# Altium PCB PASTE.PcbDoc (part 3 of 7)
Units mil, origin at the board's own origin, x right, y up, seen from the top; angles counter-clockwise.
Board outline 16220 x 11870 mil, 2 copper layers (Top Layer, Bottom Layer); 340 components, 0 nets, 1500 pads, 1280 vias.
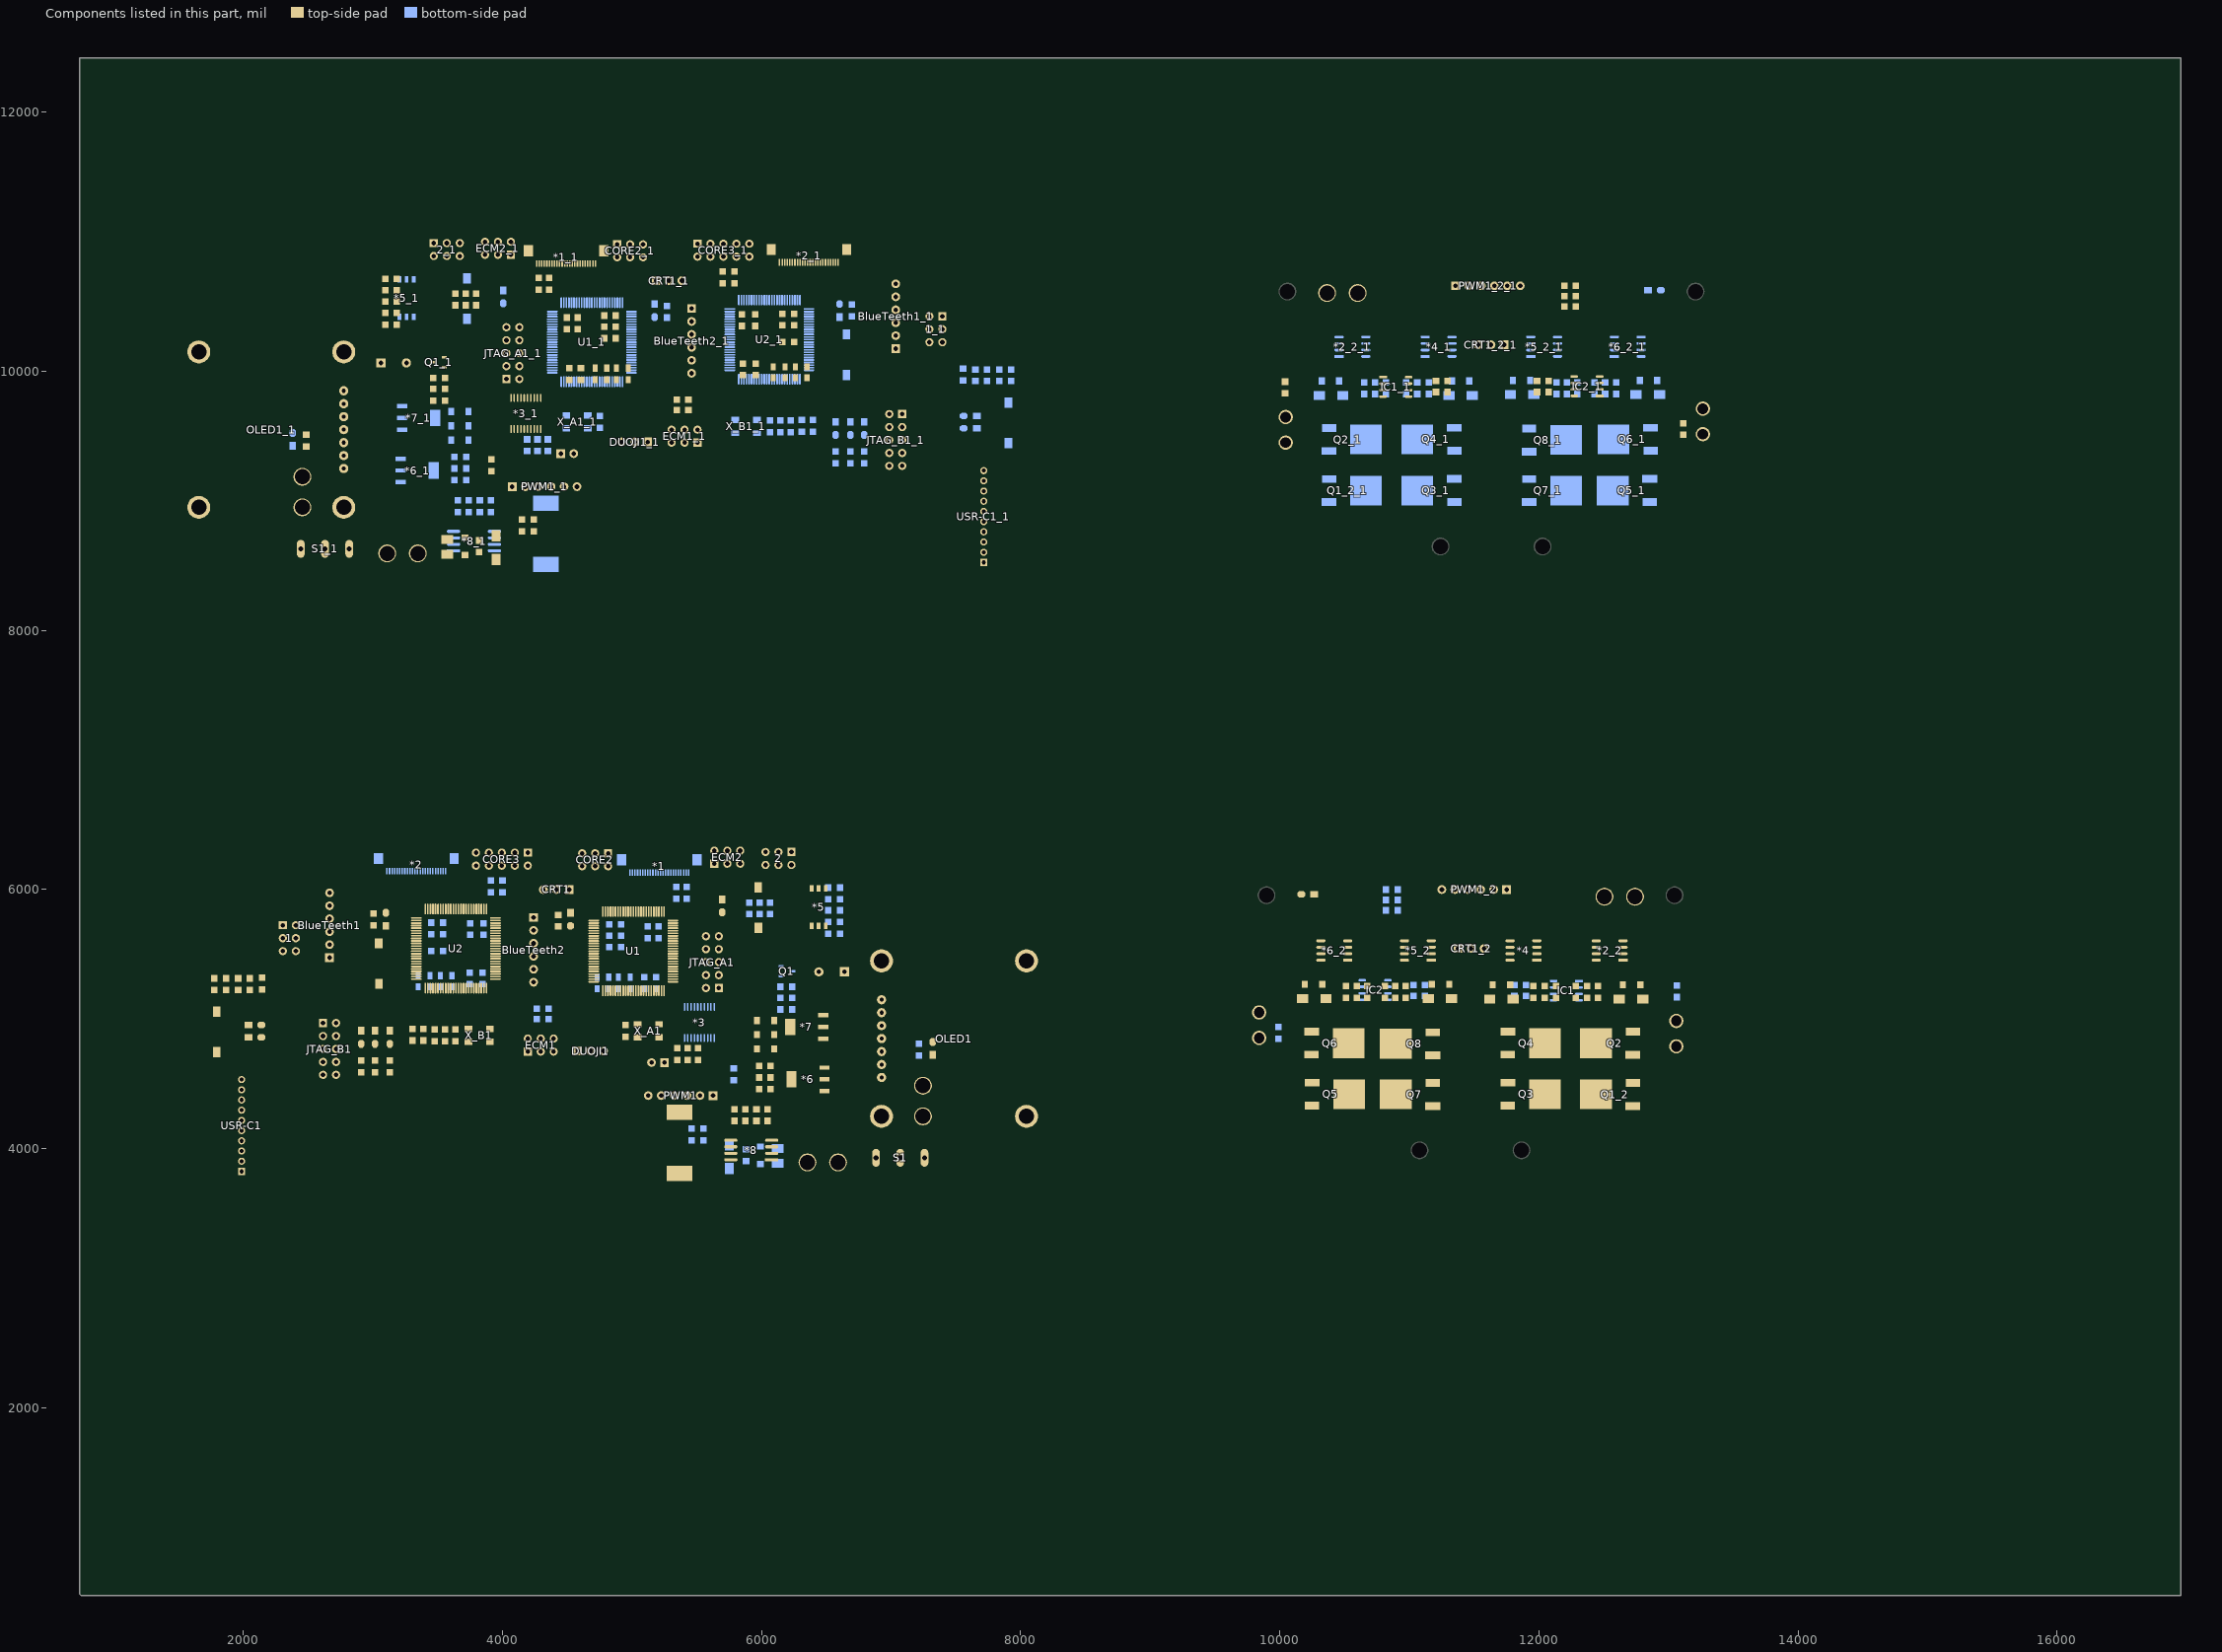
[diagram p3: the components of this part, seen from the top]

## Via types
v1: diameter 20, hole 15, Top Layer to Bottom Layer, tented both sides, 836 vias
v2: diameter 20, hole 10, Top Layer to Bottom Layer, tented both sides, 412 vias
v3: diameter 30, hole 20, Top Layer to Bottom Layer, tented both sides, 22 vias
v4: diameter 177.17, hole 157.48, Top Layer to Bottom Layer, tented both sides, 6 vias
v5: diameter 40, hole 30, Top Layer to Bottom Layer, tented both sides, 4 vias

## Nets (pads, with @x,y where several pads share a name; then routed paths per layer and width w, separated by ;. In a path a pad name is that pad's centre, name@x,y a point inside that pad or via, vN(x,y) a via of type N, cw(c..) or ccw(c..) an arc to the next point about the centre after c; other vN are vias at no path point) (continued)
copper on no net: (continued)
  Top Layer w10: 4624.91,10023.09 ccw(c4659.74,10019.75) 4635,9995 ; v2@4626.46,10598.54 ccw(c4617.93,10607.07) 4630,10607.07 ccw(c4642.07,10607.07) v2@4633.54,10598.54 ; 4626.82,6256.29 ccw(c4636.35,6237.18) 4615,6237.18 ; 4628.28,10345 ccw(c4628.28,10276.72) 4580,10325 ; v2@4630.08,5279.09 cw(c4647.7,5282.36) 4635.03,5295.03 ; v2(4630.89,5660.89) 4631.06,5661.06 4703.28,5661.06 4705.01,5662.8 ; v2@4631.46,5283.54 ccw(c4622.93,5292.07) 4635,5292.07 ccw(c4647.07,5292.07) v2@4638.54,5283.54 ; v2@4631.46,9983.54 ccw(c4622.93,9992.07) 4635,9992.07 ccw(c4647.07,9992.07) v2@4638.54,9983.54 ; v2@4634.43,5657.35 cw(c4643.38,5648.4) 4643.38,5661.06 ; v2@4634.43,5664.43 ccw(c4642.54,5672.54) 4642.54,5661.06 ; v2(4635,5280) 4635,5295 4648.46,5308.46 ; v2@4636.46,10886.46 cw(c4627.93,10877.93) 4640,10877.93 cw(c4652.07,10877.93) v2@4643.54,10886.46 ; 4637,10852.02 ccw(c4629.75,10859.27) 4640,10859.27 ; 4637.64,10831.69 4640,10834.06 v2(4640,10890) ; v2@4639.92,5280.91 cw(c4670.36,5286.57) 4648.46,5308.46 ; 4642.97,5823.25 cw(c4580.94,5761.22) 4668.67,5761.22 ; v2@4646.46,10618.54 ccw(c4637.93,10627.07) 4650,10627.07 ccw(c4662.07,10627.07) v2@4653.54,10618.54 ; v2(4650,5330) 4651.85,5328.15 4705.01,5328.15 ; v2(4650,5680) 4652.48,5682.48 4705.01,5682.48 ; v2@4651.46,9998.54 ccw(c4642.93,10007.07) 4655,10007.07 ccw(c4667.07,10007.07) 4658.54,9998.54 ccw(c4667.07,10007.07) 4667.07,9995 ccw(c4667.07,9982.93) v2@4658.54,9991.46 ; v2@4653.54,5333.54 ccw(c4666.54,5346.54) 4666.54,5328.15 ; v2@4653.54,5676.46 cw(c4668.06,5661.94) 4668.06,5682.48 ; 4657.32,10831.69 4657.32,10747.68 4690,10715 v2(4690,10615) ; 4660.05,5806.18 cw(c4615.08,5761.22) 4678.67,5761.22 ; 4661.81,5661.06 ccw(c4661.81,5671.54) 4669.22,5664.13 ; v2@4666.46,10598.54 ccw(c4657.93,10607.07) 4670,10607.07 ccw(c4682.07,10607.07) v2@4673.54,10598.54 ; v2(4675,9860) 4675,9850 4700,9825 4795,9825 5015,9605 5350,9605 5405,9550 ; 4676.59,9973.41 ccw(c4715,10011.82) 4715,9957.5 ; 4677.01,10831.69 4677.01,10752.99 4710,10720 v2(4710,10595) ; 4677.12,5789.11 cw(c4649.22,5761.22) 4688.67,5761.22 ; v2@4680,9860 ccw(c4716.21,9860) 4690.61,9834.39 ; v2@4686.46,10618.54 ccw(c4677.93,10627.07) 4690,10627.07 ccw(c4702.07,10627.07) v2@4693.54,10618.54 ; 4693.66,9956.34 ccw(c4715,9977.68) 4715,9947.5 ; 4694.19,5772.04 cw(c4683.37,5761.22) 4698.67,5761.22 ; 4694.7,9955.3 cw(c4681.89,9942.5) 4700,9942.5 ; v2(4695,10090) 4655,10050 v2(4655,9995) 4685,9995 4715,10025 ; 4696.26,6161.26 cw(c4651.03,6116.03) 4715,6116.03 cw(c4778.97,6116.03) 4733.74,6161.26 ; 4703.18,6256.29 cw(c4693.65,6237.18) 4715,6237.18 ; 4703.34,6168.34 cw(c4675.18,6140.18) 4715,6140.18 cw(c4754.82,6140.18) 4726.66,6168.34 ; 4705.01,5288.78 4713.79,5280 v2(4770,5280) ; 4705.01,5347.83 4708.87,5351.69 4746.01,5351.69 ; 4705.01,5761.22 4515,5951.23 ; 4711.97,5892.25 ccw(c4774,5954.28) 4774,5866.55 ; 4715,6180 4715,5965.75 4809.51,5871.24 ; 4715,6280 4715,6237.18 ; 4715,9935 4673.94,9976.06 4638.94,9976.06 v2(4635,9980) 4635,9995 ; 4726.82,6256.29 ccw(c4736.35,6237.18) 4715,6237.18 ; 4729.04,5875.18 ccw(c4774,5920.14) 4774,5856.55 ; v2(4735,10430) 4785,10430 4785,10345 ; 4737.15,5308.46 ccw(c4737.15,5342.85) v2@4761.46,5318.54 ; v2@4737.5,10425.67 cw(c4744.29,10413.9) 4747.81,10427.03 ; v2@4737.5,10434.33 ccw(c4744.29,10446.1) 4747.81,10432.97 ; v2@4738.54,10426.46 cw(c4747.07,10417.93) 4747.07,10430 cw(c4747.07,10442.07) v2@4738.54,10433.54 ; v2@4739.33,10427.5 cw(c4748.47,10422.22) 4745.74,10432.42 ; v2@4739.33,10432.5 ccw(c4748.47,10437.78) 4745.74,10427.58 ; 4739.46,5349.72 ccw(c4739.46,5360.8) 4747.29,5352.97 ; 4739.77,5349.7 ccw(c4740.96,5356.75) 4746.01,5351.69 ; 4740.79,5602.4 cw(c4747.06,5596.14) 4747.06,5605 ; 4746.11,5858.1 ccw(c4774,5886) 4774,5846.55 ; 4754.13,5623.43 ccw(c4754.13,5640.87) v2@4766.46,5628.54 ; 4755.07,5282.69 ccw(c4759.31,5298.51) 4767.5,5284.33 cw(c4759.35,5298.45) 4755.13,5282.7 ; 4763.18,5841.03 ccw(c4774,5851.85) 4774,5836.55 ; v2(4765,5315) 4758.46,5308.46 4705.01,5308.46 4648.46,5308.46 ; v2@4765.13,5280 cw(c4765.13,5314.32) 4740.8,5290.11 ccw(c4765.21,5314.54) v2@4765.21,5280 ; v2@4766.46,5276.46 ccw(c4757.93,5267.93) 4757.93,5280 ccw(c4757.93,5292.07) v2@4766.46,5283.54 ; 4770.86,10330.86 ccw(c4736.72,10296.72) 4736.72,10345 ccw(c4736.72,10393.28) 4770.86,10359.14 ccw(c4736.72,10393.28) 4785,10393.28 ccw(c4833.28,10393.28) 4799.14,10359.14 ; 4770.86,10444.14 cw(c4736.72,10478.28) 4736.72,10430 cw(c4736.72,10381.72) 4770.86,10415.86 cw(c4736.72,10381.72) 4785,10381.72 cw(c4833.28,10381.72) 4799.14,10415.86 ; v2@4771.46,5158.54 ccw(c4762.93,5167.07) 4775,5167.07 ccw(c4787.07,5167.07) v2@4778.54,5158.54 ; 4772.66,5184 cw(c4767.02,5178.36) 4775,5178.36 ; 4774,5219.79 4775,5218.79 v2(4775,5155) ; 4780,4755 4890,4865 4950,4865 5020,4795 5145,4795 5208,4858 5208,4860 5315,4860 v2(5345,4830) 5350,4825 5350,4775 5430,4775 5510,4775 ; 4780,4773.46 ccw(c4780,4818.04) 4811.52,4786.52 ccw(c4843.04,4755) 4798.46,4755 ; 4780,4783.46 ccw(c4780,4852.18) 4828.59,4803.59 ccw(c4877.18,4755) 4808.46,4755 ; 4785,10235 cw(c4785,10186.72) 4819.14,10220.86 cw(c4853.28,10255) 4805,10255 ; 4785,10255 4935,10105 v2(4935,10015) ; 4785,10325 cw(c4785,10276.72) 4819.14,10310.86 cw(c4853.28,10345) 4805,10345 ; v2@4786.46,5601.46 ccw(c4777.93,5592.93) 4777.93,5605 ccw(c4777.93,5617.07) v2@4786.46,5608.54 ; 4788.55,5872.49 cw(c4780.72,5864.66) 4791.8,5864.66 ; v2(4790,5605) 4706.27,5605 4705.01,5603.74 4631.26,5603.74 4558.94,5676.06 4558.94,5741.2 4541.2,5758.94 4512.66,5758.94 4496.3,5775.3 4496.3,5781.06 4472.36,5805 ; 4791.82,5864.98 ccw(c4784.77,5866.16) 4789.83,5871.22 ; 4793.69,5830.21 4789.83,5834.07 4789.83,5871.22 ; 4796.26,6161.26 cw(c4751.03,6116.03) 4815,6116.03 cw(c4878.97,6116.03) 4833.74,6161.26 ; 4803.18,6256.29 cw(c4793.65,6237.18) 4815,6237.18 ; 4803.34,6168.34 cw(c4775.18,6140.18) 4815,6140.18 cw(c4854.82,6140.18) 4826.66,6168.34 ; 4805,9935 4880,9935 4885,9935 v2(4930,9980) ; 4805,10025 4880,10025 4880,10080 v2(4885,10085) ; 4808.22,5872.53 cw(c4800.35,5864.66) 4811.48,5864.66 ; v2@4811.46,5381.46 ccw(c4802.93,5372.93) 4802.93,5385 ccw(c4802.93,5397.07) v2@4811.46,5388.54 ; 4811.51,5864.98 ccw(c4804.45,5866.18) 4809.51,5871.24 ; 4813.29,10463.94 ccw(c4813.29,10496.71) v2@4836.46,10473.54 ; 4813.37,5830.21 4809.51,5834.07 4809.51,5871.24 ; v2(4815,5385) 4779.32,5385 4746.01,5351.69 ; 4815,6180 4815,5905.17 4848.88,5871.29 ; 4815,6280 4815,6237.18 ; 4815.61,9924.39 cw(c4841.21,9898.79) 4841.21,9935 cw(c4841.21,9971.21) 4815.61,9945.61 ; 4815.61,10014.39 cw(c4841.21,9988.79) 4841.21,10025 cw(c4841.21,10061.21) 4815.61,10035.61 ; 4826.82,6256.29 ccw(c4836.35,6237.18) 4815,6237.18 ; 4827.89,5872.58 cw(c4819.97,5864.66) 4831.17,5864.66 ; 4831.19,5864.98 ccw(c4824.13,5866.2) 4829.2,5871.27 ; 4833.06,5830.21 4829.2,5834.07 4829.2,5871.27 ; 4847.55,5872.62 cw(c4839.6,5864.66) 4850.85,5864.66 ; 4850.88,5864.99 ccw(c4843.81,5866.22) 4848.88,5871.29 ; 4852.74,5219.79 4856.6,5223.65 4856.6,5260.79 ; 4852.74,5830.21 4848.88,5834.07 4848.88,5871.29 ; 4854.6,5254.55 cw(c4861.65,5255.74) 4856.6,5260.79 ; 4854.63,5254.24 cw(c4865.7,5254.24) 4857.87,5262.07 ; v2(4860,5770) 4967.47,5770 4986.68,5789.21 ; 4868.57,5878.54 ccw(c4886.3,5878.54) 4873.76,5866 ; 4869.39,9924.39 ccw(c4843.79,9898.79) 4843.79,9935 ccw(c4843.79,9971.21) 4869.39,9945.61 ; 4869.39,10014.39 ccw(c4843.79,9988.79) 4843.79,10025 ccw(c4843.79,10061.21) 4869.39,10035.61 ; 4869.39,10043.11 ccw(c4843.79,10068.71) 4880,10068.71 ccw(c4916.21,10068.71) 4890.61,10043.11 ; 4872.43,5830.21 4868.57,5834.07 4868.57,6183.61 4815,6237.18 ; 4875,10235 cw(c4875,10186.72) 4909.14,10220.86 cw(c4943.28,10255) 4895,10255 ; 4875,10255 4915,10215 4940,10215 4970,10185 4970,10025 5045,10025 v2(5050,10030) ; 4880,9947.5 ccw(c4880,9989.75) 4909.87,9959.87 ; 4880,9957.5 ccw(c4880,10023.89) v2@4926.95,9976.95 ; 4880,10060.86 cw(c4909.14,10060.86) v2@4888.54,10081.46 ; 4888.25,5171.46 cw(c4905.99,5171.46) 4893.45,5184 ; 4892.11,5219.79 4888.25,5215.93 4888.25,5138.25 4835,5085 4690,5085 4565,5210 4205,5210 4180,5235 4180,5385 4240,5445 ; 4892.11,5830.21 4892.11,6022.11 v2(5060,6190) ; 4892.23,10334.85 cw(c4910,10324.38) 4910,10345 ; 4892.23,10355.15 ccw(c4910,10365.62) 4910,10345 ; v2@4906.46,10301.46 ccw(c4897.93,10292.93) 4897.93,10305 ccw(c4897.93,10317.07) v2@4906.46,10308.54 ; v2(4910,10305) 4825,10305 4785,10345 ; 4911.8,5830.21 4911.8,5921.8 v2(5075,6085) ; 4917.77,9971.65 ccw(c4909.82,9985.41) v2@4925.17,9981.29 ; v2(4925,9855) 5090,9855 5115,9880 5395,9880 5435,9840 5435,9780 ; v2@4925,9980 cw(c4912.93,9980) 4921.46,9971.46 cw(c4930,9962.93) v2@4930,9975 ; v2@4928.54,9851.46 cw(c4937.07,9842.93) 4937.07,9855 cw(c4937.07,9867.07) v2@4928.54,9858.54 ; v2(4930,10325) 4910,10345 ; v2@4931.46,10018.54 ccw(c4922.93,10027.07) 4935,10027.07 ccw(c4947.07,10027.07) v2@4938.54,10018.54 ; 4931.48,5219.79 4931.48,5281.48 4980,5330 5206.78,5330 5248.94,5287.84 5248.94,5286.06 5262.05,5272.95 5502.95,5272.95 5570,5340 ; 4935.86,4850.86 ccw(c4901.72,4816.72) 4901.72,4865 ccw(c4901.72,4913.28) 4935.86,4879.14 ; 4949.83,5184 cw(c4937.29,5171.46) 4955.02,5171.46 ; 4950,4845 cw(c4950,4796.72) 4984.14,4830.86 cw(c5018.28,4865) 4970,4865 ; 4951.17,5219.79 4955.02,5215.93 4955.02,5139.98 5025,5070 v2(5115,5070) ; 4951.17,5830.21 4951.17,5926.17 5005,5980 v2(5255,5980) ; 4959.39,10043.11 ccw(c4933.79,10068.71) 4970,10068.71 ccw(c5006.21,10068.71) 4980.61,10043.11 ; 4960,4960 5042,4960 v2@5080,4960 ; v2(4965,5730) 5010.22,5775.22 5010.22,5830.21 5010.22,5914.78 v2(5010,5915) ; v2@4965,5735 ccw(c4965,5747.07) 4973.54,5738.54 ccw(c4982.07,5730) v2@4970,5730 ; 4970,9935 5020,9935 v2(5065,9980) ; 4970.85,5219.79 4970.85,5154.15 4975,5150 4975,5149.71 5029.71,5095 5090,5095 v2(5095,5090) ; 4970.85,5830.21 4970.85,5920.85 5010,5960 v2(5275,5960) ; 4980.61,9924.39 cw(c5006.21,9898.79) 5006.21,9935 cw(c5006.21,9971.21) 4980.61,9945.61 ; 4980.61,10014.39 cw(c5006.21,9988.79) 5006.21,10025 cw(c5006.21,10061.21) 4980.61,10035.61 ; 4985.4,5787.93 ccw(c4977.57,5795.76) 4988.65,5795.76 ; v2@4986.46,5891.46 cw(c4976.64,5881.64) 4990.54,5881.64 ; 4986.68,5788.16 cw(c4992.69,5788.16) 4991.05,5793.95 ; 4988.67,5795.45 cw(c4981.62,5794.26) 4986.68,5789.21 ; v2(4990,5895) 4990.54,5894.46 4990.54,5830.21 4986.68,5826.35 4986.68,5789.21 ; 4990.54,5219.79 4990.54,5164.46 5045,5110 v2(5115,5110) ; 4990.54,5884.22 cw(c5000.78,5884.22) v2@4993.54,5891.46 ; v2@5000,5390 cw(c4987.93,5390) 4996.46,5381.46 cw(c5005,5372.93) v2@5005,5385 ; v2@5006.46,5911.46 cw(c4997.4,5902.4) 5010.22,5902.4 ; v2@5008.54,5386.46 cw(c5017.07,5377.93) 5017.07,5390 cw(c5017.07,5402.07) v2@5008.54,5393.54 ; 5010.22,5903.46 cw(c5021.54,5903.46) v2@5013.54,5911.46 ; v2@5021.46,5163.54 ccw(c5010.4,5174.6) 5026.05,5174.6 ; v2(5025,5160) 5026.05,5161.05 5026.05,5215.93 5029.91,5219.79 ; 5025.86,10025 ccw(c5025.86,10054.14) v2@5046.46,10033.54 ; 5026.05,5171.46 cw(c5043.78,5171.46) 5031.24,5184 ; v2@5026.46,5891.46 cw(c5018.16,5883.16) 5029.91,5883.16 ; 5029.91,5830.21 5029.91,5894.91 v2(5030,5895) ; 5029.91,5882.7 cw(c5042.3,5882.7) v2@5033.54,5891.46 ; v2@5041.46,5291.46 cw(c5030.36,5280.36) 5046.06,5280.36 ; v2(5045,5295) 5046.06,5293.94 5046.06,5223.31 5049.59,5219.79 5049.59,5160.41 v2(5050,5160) ; v2@5046.46,5163.54 ccw(c5038.92,5171.08) 5049.59,5171.08 ; v2@5046.46,5911.46 cw(c5038.92,5903.92) 5049.59,5903.92 ; 5049.59,5173.06 ccw(c5063.06,5173.06) v2@5053.54,5163.54 ; 5049.59,5830.21 5049.59,5914.59 v2(5050,5915) ; 5049.59,5901.94 cw(c5063.06,5901.94) v2@5053.54,5911.46 ; v2(5050,10380) 5080,10380 5317.4,10142.6 5477.56,10142.6 5499.96,10165 v2(5685,10165) ; v2@5053.54,10376.46 cw(c5062.07,10367.93) 5062.07,10380 cw(c5062.07,10392.07) v2@5053.54,10383.54 ; v2@5055,6190 cw(c5042.93,6190) 5051.46,6181.46 cw(c5060,6172.93) v2@5060,6185 ; v2@5060,9980 cw(c5047.93,9980) 5056.46,9971.46 cw(c5065,9962.93) v2@5065,9975 ; 5060.86,4960 ccw(c5060.86,4989.14) v2@5081.46,4968.54 ; v2@5061.46,5276.46 cw(c5051.92,5266.92) 5065.42,5266.92 ; 5064.07,4950.76 cw(c5080,4941.66) v2@5080,4960 ; 5064.07,4969.24 ccw(c5080,4978.34) v2@5080,4960 ; v2(5065,5280) 5065.42,5279.58 5065.42,5223.65 5069.28,5219.79 ; 5065.42,5268.11 ccw(c5083.15,5268.11) 5070.61,5255.57 ; 5065.42,5268.94 cw(c5076.06,5268.94) v2@5068.54,5276.46 ; 5066.01,4956.25 ccw(c5059.76,4979.57) v2@5080.67,4967.5 ; v2@5066.46,5891.46 cw(c5059.68,5884.68) 5069.28,5884.68 ; v2@5069.11,10355.89 cw(c5069.11,10343.82) 5077.65,10352.35 cw(c5086.18,10360.89) v2@5074.11,10360.89 ; v2(5069.11,10360.89) 5301.34,10128.66 5483.5,10128.66 5499.84,10145 v2(5670,10145) ; 5069.28,5830.21 5069.28,5894.28 v2(5070,5895) ; 5069.28,5881.18 cw(c5083.82,5881.18) v2@5073.54,5891.46 ; v2@5070,6085 cw(c5057.93,6085) 5066.46,6076.46 cw(c5075,6067.93) v2@5075,6080 ; 5070.86,5095 cw(c5070.86,5065.86) v2@5091.46,5086.46 ; v2(5085,4965) v2@5080,4960 ; v2@5086.46,5163.54 ccw(c5077.93,5172.07) 5090,5172.07 ccw(c5102.07,5172.07) v2@5093.54,5163.54 ; 5087.62,5184 cw(c5081.89,5178.27) 5090,5178.27 ; 5088.96,5219.79 5090,5218.75 v2(5090,5160) ; 5088.96,5830.21 5088.96,5913.96 v2(5090,5915) ; 5088.96,5900.42 cw(c5104.58,5900.42) v2@5093.54,5911.46 ; 5091.54,9455 ccw(c5022.82,9455) 5071.41,9503.59 ccw(c5120,9552.18) 5120,9483.46 ; 5101.54,9455 ccw(c5056.96,9455) 5088.48,9486.52 ccw(c5120,9518.04) 5120,9473.46 ; 5108.65,5830.21 5108.65,5893.65 v2(5110,5895) ; 5108.65,5879.66 cw(c5125.34,5879.66) v2@5113.54,5891.46 ; v2@5111.46,5066.46 ccw(c5102.93,5057.93) 5102.93,5070 ccw(c5102.93,5082.07) v2@5111.46,5073.54 ; v2@5111.46,5106.46 ccw(c5102.93,5097.93) 5102.93,5110 ccw(c5102.93,5122.07) v2@5111.46,5113.54 ; 5128.33,5830.21 5128.94,5830.82 5128.94,5913.94 v2(5130,5915) ; 5128.94,5900.36 cw(c5144.64,5900.36) v2@5133.54,5911.46 ; v2(5140,5675) 5206.54,5741.54 5315.43,5741.54 5316.97,5740 v2(5400,5740) ; v2@5140,5680 ccw(c5140,5692.07) 5148.54,5683.54 ccw(c5157.07,5675) v2@5145,5675 ; 5147.49,5183.52 cw(c5145.8,5177.69) 5151.87,5177.69 ; 5148.02,5219.79 5151.87,5215.93 5151.87,5178.73 ; 5148.02,5830.21 5148.02,5893.02 v2(5150,5895) ; 5148.02,5878.14 cw(c5166.86,5878.14) v2@5153.54,5891.46 ; 5149.88,5185.02 ccw(c5156.94,5183.8) 5151.87,5178.73 ; 5149.91,5185.34 ccw(c5161.1,5185.34) 5153.18,5177.42 ; 5150.27,5193.13 cw(c5149.65,5191) 5151.87,5191 ; 5164.71,4814.71 ccw(c5119.43,4860) 5183.47,4860 ; 5166.36,5866 ccw(c5157.59,5874.77) 5170,5874.77 ; v2@5166.46,5911.46 cw(c5157.93,5902.93) 5170,5902.93 cw(c5182.07,5902.93) v2@5173.54,5911.46 ; 5167.7,5219.79 5171.56,5215.93 5171.56,5178.76 ; 5167.7,5830.21 5170,5832.51 v2(5170,5915) ; 5169.56,5185.02 ccw(c5176.62,5183.82) 5171.56,5178.76 ; 5169.59,5185.34 ccw(c5180.72,5185.34) 5172.85,5177.47 ; 5181.79,4831.79 ccw(c5153.57,4860) 5193.47,4860 ; 5183.8,4833.8 cw(c5202.09,4815.51) 5202.09,4841.38 ; 5187.39,5219.79 5191.06,5216.11 5191.06,5178.96 ; 5189.24,5184.97 ccw(c5195.77,5183.67) 5191.06,5178.96 ; 5189.28,5185.34 ccw(c5200.35,5185.34) 5192.52,5177.51 ; 5194.83,4973.17 ccw(c5160.78,5007.22) 5208.94,5007.22 ; v2(5200,5275) 5205,5270 5205,5221.86 5207.07,5219.79 ; 5207.07,5830.21 5207.07,5917.07 5230,5940 5299.37,5940 5599.8,6240.43 5675.43,6240.43 5735,6300 ; 5208,4960 5208.94,4960.94 5208.94,5078.94 5246.44,5116.44 5246.44,5219.79 5245,5218.35 ; 5208.94,5002.7 ccw(c5250.7,5002.7) 5221.17,4973.17 ; v2@5215,5490 cw(c5215,5477.93) 5223.54,5486.46 cw(c5232.07,5495) v2@5220,5495 ; v2(5215,5495) 5244.06,5465.94 5315.43,5465.94 ; v2(5215,10565) 5395,10385 ; 5215.86,5520 cw(c5215.86,5490.86) v2@5236.46,5511.46 ; 5225.42,5255.57 ccw(c5214.36,5266.63) 5230,5266.63 ; v2@5226.46,5276.46 cw(c5217.93,5267.93) 5230,5267.93 cw(c5242.07,5267.93) v2@5233.54,5276.46 ; 5226.76,5219.79 5230,5223.03 v2(5230,5280) ; 5226.76,5830.21 5226.76,5896.76 5250,5920 5455,5920 5735,6200 ; 5227.07,4846.83 cw(c5258.86,4815.04) 5258.86,4860 cw(c5258.86,4904.96) 5227.07,4873.17 ; v2@5240,5510 cw(c5240,5497.93) 5248.54,5506.46 cw(c5257.07,5515) v2@5245,5515 ; 5245.1,5866 ccw(c5233.29,5877.82) 5250,5877.82 ; 5246.44,5830.21 5250,5833.77 v2(5250,5890) ; v2@5246.46,5886.46 cw(c5237.93,5877.93) 5250,5877.93 cw(c5262.07,5877.93) v2@5253.54,5886.46 ; v2(5250,5325) 5250,5317.07 5274.43,5292.64 ; v2@5251.46,5976.46 ccw(c5242.93,5967.93) 5242.93,5980 ccw(c5242.93,5992.07) v2@5251.46,5983.54 ; v2@5255,5325 ccw(c5286.22,5325) 5264.15,5302.92 ; v2(5255,5765) 5311.65,5765 5315.43,5761.22 5531.22,5761.22 5695,5925 ; 5257.93,5497.07 ccw(c5280.98,5520.12) 5280.98,5487.52 ; v2(5270,5150) 5305,5185 v2(5325,5185) ; v2@5270,5155 ccw(c5270,5167.07) 5278.54,5158.54 ccw(c5287.07,5150) v2@5275,5150 ; v2@5271.46,5956.46 ccw(c5262.93,5947.93) 5262.93,5960 ccw(c5262.93,5972.07) v2@5271.46,5963.54 ; 5273.15,5293.91 ccw(c5280.98,5301.74) 5280.98,5290.67 ; 5280.67,5290.64 cw(c5279.48,5297.69) 5274.43,5292.64 ; 5315.43,5288.78 5311.57,5292.64 5274.43,5292.64 ; 5315.43,5308.46 5319.29,5312.32 5477.32,5312.32 5529.57,5364.57 5529.57,5423.25 ; 5315.43,5328.15 5458.15,5328.15 v2(5485,5355) ; 5315.43,5347.83 5451.05,5347.83 5477.16,5373.94 5498.94,5373.94 v2(5505,5380) ; 5315.43,5367.52 5451.03,5367.52 5478.51,5395 v2(5485,5395) ; 5315.43,5387.2 5450.42,5387.2 5477.16,5413.94 5498.94,5413.94 v2(5505,5420) ; 5315.43,5406.89 5316.26,5406.06 5449.57,5406.06 5478.51,5435 v2(5485,5435) ; 5315.43,5426.57 5317.01,5425 v2(5430,5425) ; 5315.43,5446.26 5371.26,5446.26 v2(5375,5450) ; 5315.43,5485.63 5314.8,5485 5270,5485 v2(5240,5515) 5235,5520 5175,5520 5045,5390 v2(5005,5390) 4958.94,5343.94 4939.74,5343.94 4856.6,5260.79 ; 5315.43,5505.31 5369.69,5505.31 v2(5375,5500) ; 5315.43,5544.69 5319.29,5540.83 5356.44,5540.83 ; 5315.43,5584.06 5319.29,5580.2 5356.44,5580.2 ; 5315.43,5643.11 5373.11,5643.11 v2(5375,5645) ; 5315.43,5682.48 5372.52,5682.48 v2(5375,5680) ; 5315.43,5702.17 5316.54,5701.06 v2@5400,5701.06 ; 5315.43,5721.85 5317.28,5720 v2(5375,5720) ; v2@5321.46,5181.46 ccw(c5312.93,5172.93) 5312.93,5185 ccw(c5312.93,5197.07) v2@5321.46,5188.54 ; 5330,5521.14 5367.08,5521.14 5367.16,5521.06 5396.06,5521.06 v2(5400,5525) ; 5330.86,9714.14 ccw(c5296.72,9748.28) 5345,9748.28 ccw(c5393.28,9748.28) 5359.14,9714.14 ; 5330.86,9765.86 cw(c5296.72,9731.72) 5345,9731.72 cw(c5393.28,9731.72) 5359.14,9765.86 ; v2(5335,5070) 5336.06,5071.06 5656.06,5071.06 5750,5165 5750,5417.18 5686.75,5480.43 5629.57,5480.43 5570,5540 ; v2(5335,5110) 5440,5110 5570,5240 ; v2@5338.54,5066.46 cw(c5349.64,5055.36) 5349.64,5071.06 ; v2@5338.54,5106.46 cw(c5347.07,5097.93) 5347.07,5110 cw(c5347.07,5122.07) v2@5338.54,5113.54 ; v2@5340,4830 ccw(c5327.93,4830) 5336.46,4838.54 ccw(c5345,4847.07) v2@5345,4835 ; 5345,9680 cw(c5345,9631.72) 5379.14,9665.86 cw(c5413.28,9700) 5365,9700 ; 5345,9780 5345,9700 5464.57,9580.43 5464.57,9533.25 5505,9492.82 ; 5349.98,5542.8 cw(c5350.48,5533.22) 5357.26,5540 ; 5350.1,5505.31 cw(c5350.1,5475.1) v2@5371.46,5496.46 ; 5350.14,5582.18 cw(c5351.19,5574.56) 5356.63,5580 ; 5350.2,5542.82 cw(c5351.38,5535.77) 5356.44,5540.83 ; 5350.2,5582.19 cw(c5351.38,5575.14) 5356.44,5580.2 ; 5351.22,5307.13 cw(c5363.76,5294.59) 5363.76,5312.32 ; 5351.22,5427.91 ccw(c5358.25,5434.94) 5358.25,5425 ; 5351.22,5526.34 ccw(c5363.76,5538.88) 5363.76,5521.14 ; 5351.22,5546.02 ccw(c5365.75,5560.56) v2@5365.75,5540 ; 5351.22,5585.39 ccw(c5364.23,5598.41) 5364.23,5580 ; 5351.22,5703.5 ccw(c5357.11,5709.39) 5357.11,5701.06 ; 5351.22,5723.19 ccw(c5358.91,5730.88) 5358.91,5720 ; 5351.22,5742.87 ccw(c5358.15,5749.8) 5358.15,5740 ; 5351.76,5544.9 ccw(c5357.26,5545.54) 5357.26,5540 ; 5353.9,5446.26 ccw(c5353.9,5471.1) v2@5371.46,5453.54 ; v2(5355,5090) 5645,5090 5720,5165 5720,5347.18 5686.75,5380.43 5629.57,5380.43 5570,5440 ; 5356.94,5682.48 cw(c5356.94,5661.94) v2@5371.46,5676.46 ; 5358.37,5643.11 ccw(c5358.37,5661.63) v2@5371.46,5648.54 ; v2@5358.54,5086.46 cw(c5367.07,5077.93) 5367.07,5090 cw(c5367.07,5102.07) v2@5358.54,5093.54 ; 5359.48,5541.68 ccw(c5363.31,5555.97) v2@5372.05,5544.03 ; v3(5360,9960) 5625,9695 5625,9610 ; v2@5371.46,5536.46 ccw(c5362.93,5527.93) 5362.93,5540 ccw(c5362.93,5552.07) v2@5371.46,5543.54 ; v2@5371.46,5576.46 ccw(c5362.93,5567.93) 5362.93,5580 ccw(c5362.93,5592.07) v2@5371.46,5583.54 